# Altium PCB LimeSDR-QPCIe_1v2.PcbDoc (part 17 of 21) (continued)
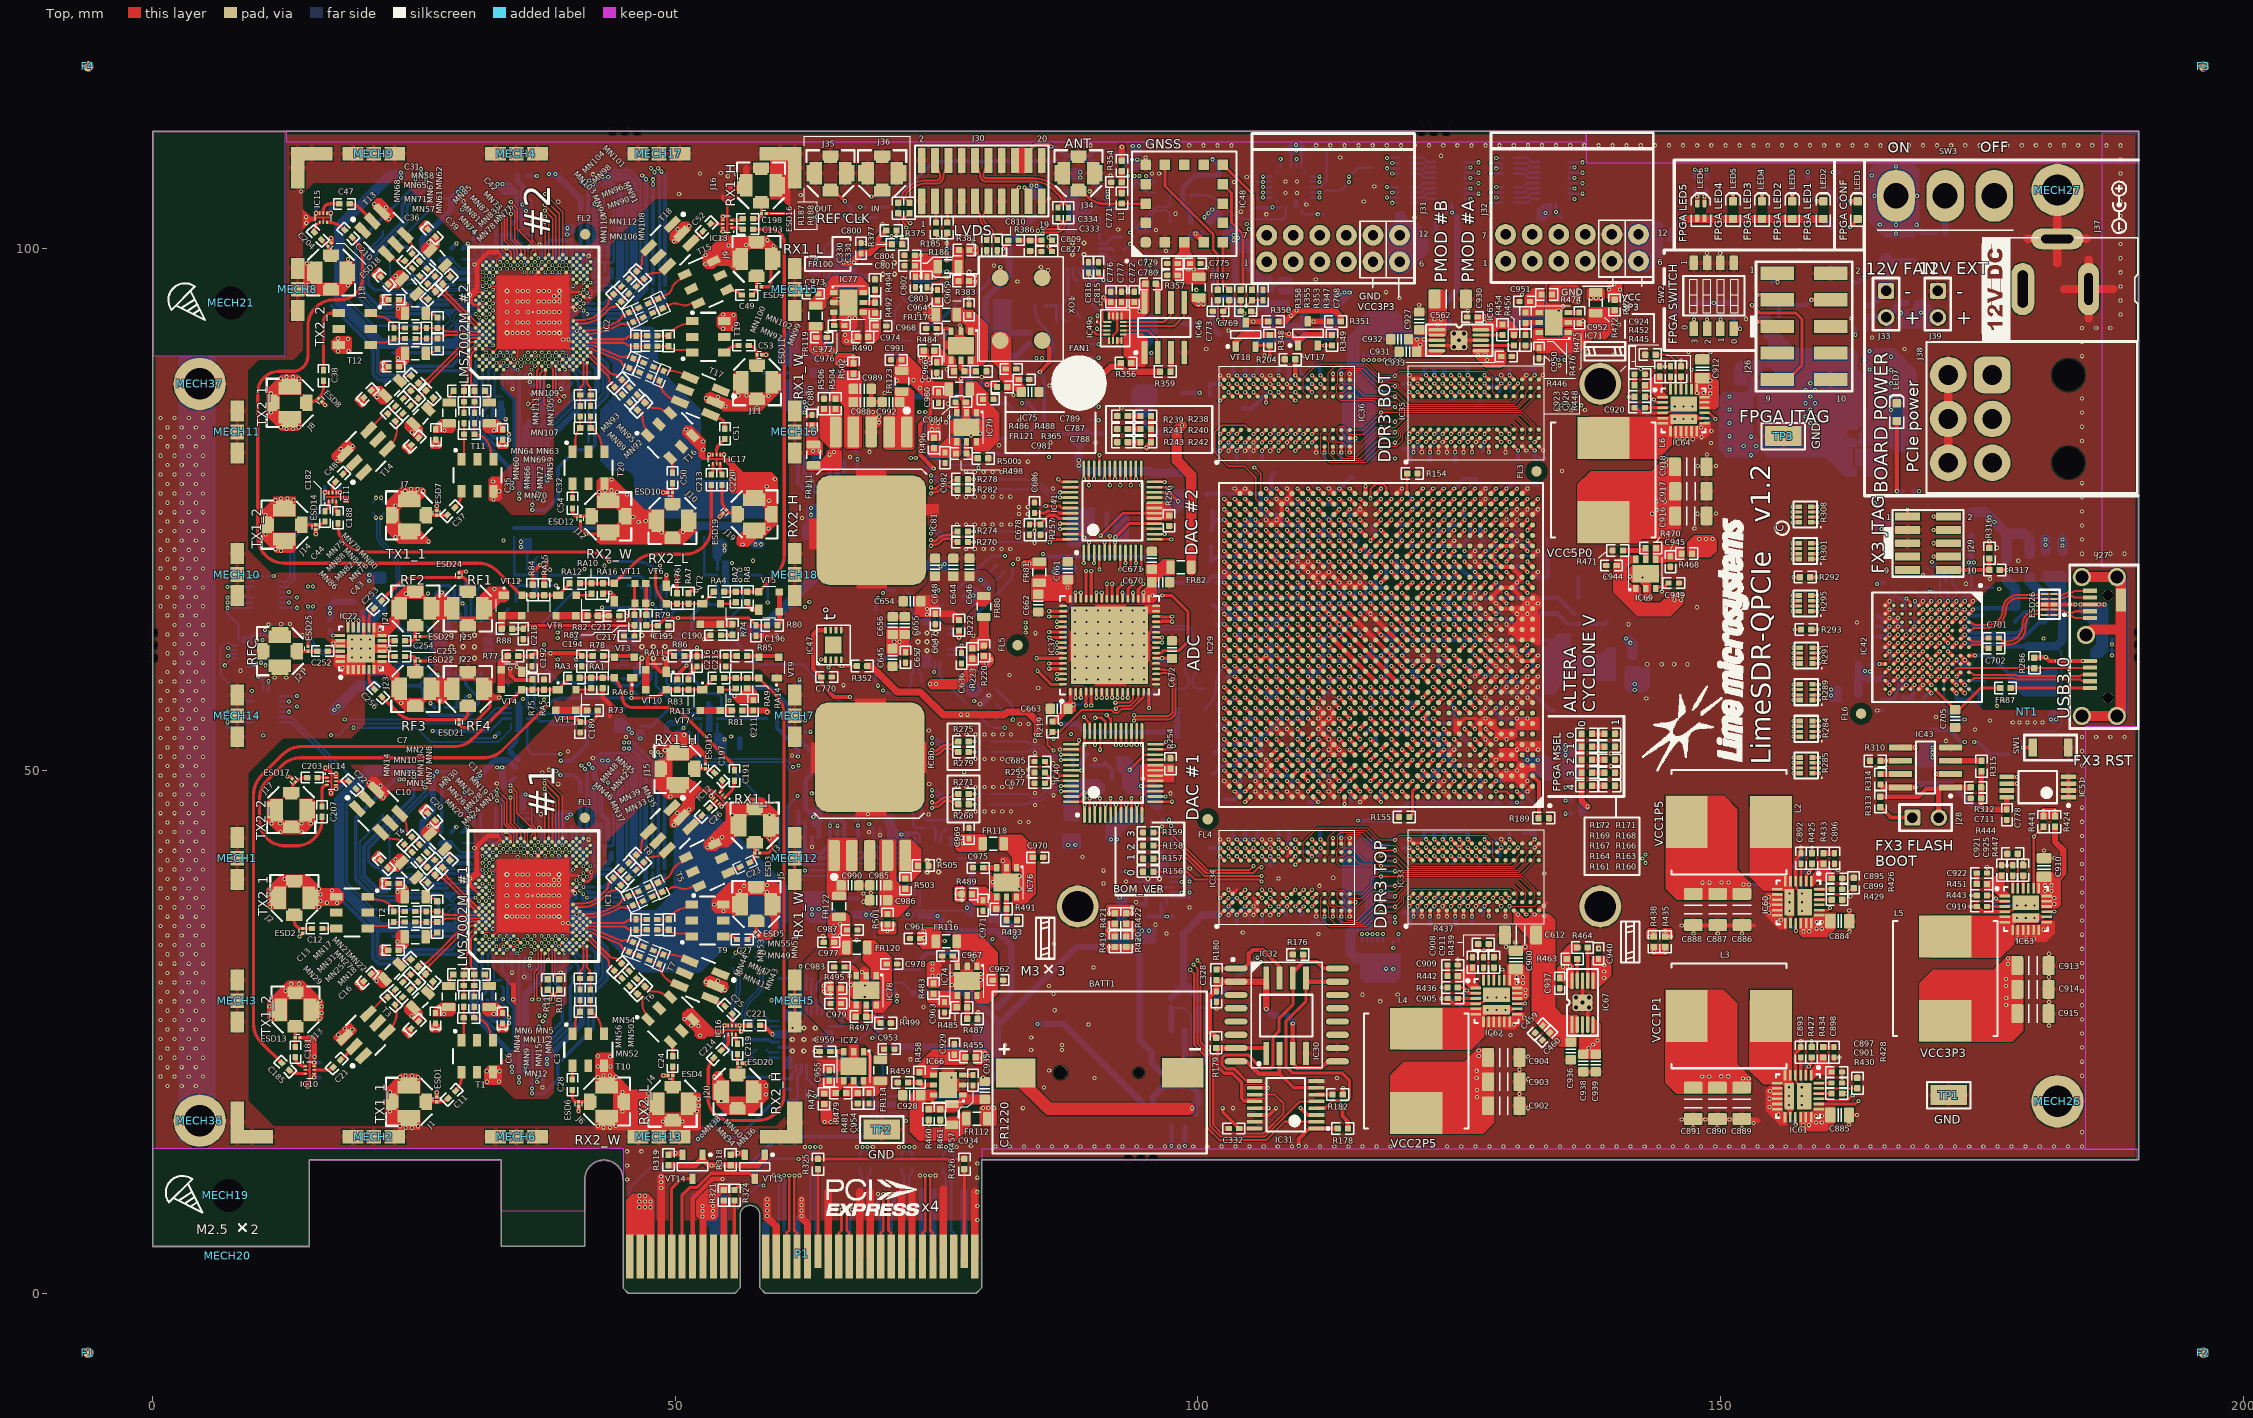
[diagram p0: Top view]
## Nets (pads, with @x,y where several pads share a name; then routed paths per layer and width w, separated by ;. In a path a pad name is that pad's centre, name@x,y a point inside that pad or via, vN(x,y) a via of type N, cw(c..) or ccw(c..) an arc to the next point about the centre after c; other vN are vias at no path point) (continued)
NetIC53_14: IC53.14 R407.2 | length 1.6
  Bottom w0.3: IC53.14@90.6,99.425 91.125,99.425 91.875,98.675 R407.2@91.9,98.675
NetIC53_15: IC53.15 R392.2 | length 2
  Bottom w0.3: IC53.15@90.6,98.925 90.875,98.925 91.225,98.575 91.225,98.25 R392.2@91.9,97.575
NetIC53_19: IC53.19 R397.1 | length 1.4
  Bottom w0.3: IC53.19@88.05,98.025 88.05,97.275 R397.1@88.475,96.85
NetIC54_5: IC54.5 R400.1 | length 1.6
  Bottom w0.4: R400.1@76.203,79.808 76.899,80.505 IC54.5@77.489,80.505
NetIC54_6: IC54.6 R402.1 | length 1.4
  Bottom w0.4: R402.1@76.203,80.908 76.449,81.155 IC54.6@77.489,81.155
NetIC54_7: IC54.7 R404.1 | length 1.4
  Bottom w0.4: R404.1@76.203,82.008 76.406,81.805 IC54.7@77.489,81.805
NetIC55_24: IC55.24 R411.2 | length 1.7
  Bottom w0.4: IC55.24@97.025,40.7 97.025,41.6 R411.2@97.575,42.15
NetIC57_3: IC57.3 R416.2 | length 4.5
  Bottom w0.25: IC57.3@110.85,105.825 111.726,105.825 112.325,106.424 R416.2@112.325,109.175
NetIC57_6: IC57.6 R412.2 R414.1 | length 53.6
  L12 w0.1: v1(66.225,103.125) cw(c66.647,102.703) 66.647,103.3 76.123,103.3 ccw(c76.123,105.84) 77.919,104.044 81.006,107.131 cw(c82.802,105.335) 82.802,107.875 107.418,107.875 cw(c107.418,105.335) 109.214,107.131 109.983,106.362 ccw(c111.275,107.655) 111.275,105.827 111.598,105.827 cw(c111.598,105.375) 112.05,105.375 112.05,104.125 cw(c111.265,104.125) 111.82,103.57 v1(111.475,103.225)
  Bottom w0.254: IC57.6@109.925,103.625 ccw(c110.325,103.625) 110.325,103.225 v1(111.475,103.225) R414.1@111.975,103.225
  Bottom w0.3: R412.2@66,102.725 cw(c66.423,102.725) 66.124,103.024 v1(66.225,103.125)
NetIC58_3: IC58.3 VT20.4
NetIC59_3: IC59.3 VT19.4
NetIC59_4: IC59.4 IC59.7 VD1.3
NetIC60_2: IC60.2 R425.1 R431.1 | length 3
  Top w0.309: IC60.2@158.2,39 IC60.2@158.2,39.4 158.2,40 158.75,40.55 R425.1@158.75,41.1
  Bottom w0.254: R431.1@157.8,40.275 157.825,40.25 v1(158.475,40.25)
NetIC60_22: IC60.22 R429.1 | length 1.6
  Top w0.309: IC60.22@159.05,37.65 R429.1@160.65,37.65
NetIC60_23: IC60.23 R426.1 | length 3.5
  Top w0.2: IC60.23@159.45,38.15 161.954,38.15 162.554,38.75 R426.1@162.75,38.75
NetIC61_2: IC61.2 R427.1 R432.1 | length 3
  Top w0.309: IC61.2@158.175,20.45 IC61.2@158.175,20.85 158.175,21.45 158.725,22 R427.1@158.725,22.55
  Bottom w0.254: R432.1@157.775,21.725 R432.1@157.8,21.7 v1(158.45,21.7)
NetIC61_22: IC61.22 R430.1 | length 1.6
  Top w0.309: IC61.22@159.025,19.1 R430.1@160.625,19.1
NetIC61_23: IC61.23 R428.1 | length 3.7
  Top w0.2: IC61.23@159.425,19.6 R428.1@163.1,19.6
NetIC62_2: IC62.2 R436.1 R440.2 | length 3
  Top w0.309: R436.1@124.875,29.25 125.425,29.25 125.975,28.7 IC62.2@126.575,28.7 IC62.2@126.975,28.7
  Bottom w0.254: R440.2@125.7,28.3 R440.2@125.725,28.325 v1(125.725,28.975)
NetIC62_22: IC62.22 R439.1 | length 1.6
  Top w0.309: IC62.22@128.325,29.55 R439.1@128.325,31.15
NetIC62_23: IC62.23 R437.1 | length 3.5
  Top w0.2: IC62.23@127.825,29.95 R437.1@127.825,33.4
NetIC63_2: IC63.2 R443.2 R449.2 | length 3
  Top w0.309: R443.2@175.513,38.05 176.063,38.05 176.613,37.5 IC63.2@177.213,37.5 IC63.2@177.613,37.5
  Bottom w0.254: R449.2@176.338,37.1 R449.2@176.363,37.125 v1(176.363,37.775)
NetIC63_22: IC63.22 R447.1 | length 1.6
  Top w0.309: IC63.22@178.963,38.35 R447.1@178.963,39.95
NetIC63_23: IC63.23 R444.1 | length 3.3
  Top w0.2: IC63.23@178.463,38.75 R444.1@178.463,42.037
NetIC64_2: IC64.2 R445.1 R450.2 | length 3
  Top w0.309: R445.1@142.775,85.775 143.325,85.775 143.875,85.225 IC64.2@144.475,85.225 IC64.2@144.875,85.225
  Bottom w0.254: R450.2@143.6,84.825 143.625,84.85 v1(143.625,85.5)
NetIC64_22: IC64.22 R448.1 | length 1.6
  Top w0.309: IC64.22@146.225,86.075 R448.1@146.225,87.675
NetIC64_23: IC64.23 R446.1 | length 4.9
  Top w0.2: R446.1@143.8,89.8 145.075,89.8 145.725,89.15 IC64.23@145.725,86.475
NetIC65_7: IC65.7 R456.2 | length 4.6
  Top w0.3: 128.475,90.675 IC65.7@127.075,90.675 R456.2@130.25,90.675
NetIC65_9: IC65.9 R454.2 | length 2.1
  Top w0.3: IC65.9@127.075,91.675 R454.2@129.15,91.675
NetIC66_5: IC66.5 R458.1 R459.2 | length 2.5
  Top w0.5: R459.2@72.275,20.15 R458.1@73.375,20.15 73.6,19.925 IC66.5@74.7,19.925
NetIC67_7: IC67.7 R464.2 | length 3.2
  Top w0.3: IC67.7@137.3,29.85 IC67.7@137.3,29.9 R464.2@137.3,33.075
NetIC67_9: IC67.9 R463.2 | length 3.4
  Top w0.3: IC67.9@136.3,29.85 136.3,31.15 ; IC67.9@136.3,29.9 R463.2@136.3,31.975
NetIC68_5: IC68.5 R466.1 R467.2 | length 2.4
  Bottom w0.5: IC68.5@107.05,95.925 107.05,96.07 107.955,96.975 R467.2@108.9,96.975
NetIC69_5: IC69.5 R470.1 R471.2 | length 3
  Top w0.5: R471.2@140.675,71.05 142.85,71.05 IC69.5@142.85,70.225
NetIC71_5: IC71.5 R475.1 R476.2 | length 2.5
  Top w0.5: R476.2@131.35,91.625 R475.1@131.35,92.875 ; R475.1@131.4,92.875 IC71.5@132.65,92.875
NetIC72_5: IC72.5 R479.1 R481.2
NetIC73_5: IC73.5 R480.1 R482.2 | length 2.2
  Bottom w0.4: R482.2@58.51,88.04 IC73.5@60.739,88.04
NetIC74_5: IC74.5 R485.1 R487.2 | length 2.2
  Top w0.5: R487.2@77.925,26.25 IC74.5@77.925,28.475
NetIC75_5: IC75.5 R486.1 R488.2 | length 2.3
  Top w0.5: IC75.5@77.325,89.25 77.325,88.55 R486.1@77.675,88.2 R488.2@78.775,88.2
NetIC76_5: IC76.5 R491.1 R493.2 | length 2.2
  Top w0.5: R493.2@81.7,35.675 R491.1@81.7,36.775 IC76.5@81.7,37.9
NetIC77_5: IC77.5 R492.1 R494.2 | length 2.3
  Top w0.5: IC77.5@67.975,94.8 69.075,94.8 69.1,94.825 R494.2@69.1,96
NetIC78_5: IC78.5 R497.1 R499.2 | length 2.7
  Top w0.5: IC78.5@68.275,27.575 R497.1@68.275,26.45 69.025,26.45 R499.2@69.625,25.85
NetIC79_5: IC79.5 R498.1 R500.2 | length 2.4
  Top w0.5: R498.1@77.862,80.35 78.337,79.875 R500.2@78.95,79.875 ; R498.1@77.875,80.363 IC79.5@77.875,81.45
NetIC80_5: IC80.5 R503.1 R505.1
NetIC81_5: IC81.5 R504.1 R506.1
NetJ27_8: J27.8 R290.2 | length 2.3
  Top w0.4: v1(184.462,65.9) v1(186.737,65.9)
  other v1: 186.212,65.9
NetJ29_10: J29.10 R316.2 R317.2 | length 5
  Top w0.4: J29.10@171.8,69.2 R317.2@175.725,69.2 R316.2@175.725,70.3
NetJ31_1: J31.1 R327.8 | length 17.7
  L10 w0.1: J31.1@106.583,98.679 107.933,97.329 112.228,97.329 113.019,98.119 113.019,99.112 113.735,99.829 114.728,99.829 115.561,100.662 115.561,102.571 117.316,104.325 v1(118.6,104.325)
  Bottom w0.25: v1(118.6,104.325) R327.8@119.175,104.325
NetJ31_2: J31.2 R327.6 | length 15.2
  L10 w0.1: J31.2@109.126,98.679 110.276,97.529 112.145,97.529 112.819,98.202 112.819,99.195 113.652,100.029 114.645,100.029 115.361,100.745 115.361,102.654 117.533,104.825 v1(118.1,104.825)
  Bottom w0.25: v1(118.1,104.825) 118.6,104.825 R327.6@119.175,104.825
NetJ31_3: J31.3 R327.4 | length 11.2
  L10 w0.1: J31.3@111.669,98.679 113.025,100.035 113.025,101.675 113.825,102.475 114.9,102.475 117.75,105.325 v1(118.6,105.325)
  Bottom w0.25: v1(118.6,105.325) R327.4@119.175,105.325
NetJ31_4: J31.4 R327.2 | length 9.8
  L12 w0.1: J31.4@114.211,98.679 115.361,99.829 115.361,103.086 v1(118.1,105.825)
  Bottom w0.25: v1(118.1,105.825) R327.2@119.175,105.825
NetJ31_7: J31.7 R328.8 | length 15
  L10 w0.1: J31.7@106.583,101.221 108.136,102.775 112.592,102.775 116.642,106.825 118.3,106.825 v1(118.6,107.125)
  Bottom w0.25: v1(118.6,107.125) R328.8@119.175,107.125
NetJ31_8: J31.8 R328.6 | length 14.7
  L10 w0.1: J31.8@109.126,101.221 110.429,102.525 112.625,102.525 116.725,106.625 118.675,106.625 118.975,106.925 118.975,107.425 118.775,107.625 v1(118.1,107.625)
  Bottom w0.25: v1(118.1,107.625) R328.6@119.175,107.625
NetJ31_9: J31.9 R328.4 | length 12.2
  L10 w0.1: J31.9@111.669,101.221 112.289,101.221 113.742,102.675 114.817,102.675 117.75,105.608 117.75,105.97 118.205,106.425 118.85,106.425 119.175,106.75 119.175,107.55 v1(118.6,108.125)
  Bottom w0.25: v1(118.6,108.125) R328.4@119.175,108.125
NetJ31_10: J31.10 R328.2 | length 10.7
  L12 w0.1: J31.10@114.211,101.221 114.211,104.736 v1(118.1,108.625)
  Bottom w0.25: v1(118.1,108.625) R328.2@119.175,108.625 118.6,108.625
NetJ32_1: J32.1 R329.8 | length 7.2
  L12 w0.1: v1(128.05,104.325) 128.05,100.146 J32.1@129.443,98.754
  Bottom w0.25: v1(128.05,104.325) R329.8@129.125,104.325
NetJ32_2: J32.2 R329.6 | length 8.1
  L12 w0.1: v1(128.55,104.825) 130.593,102.782 130.593,100.78 131.427,99.946 131.429,99.946 131.986,99.389 J32.2@131.986,98.754
  Bottom w0.25: v1(128.55,104.825) R329.6@129.125,104.825
NetJ32_3: J32.3 R329.4 | length 11.6
  L12 w0.1: v1(128.05,105.325) 128.1,105.275 128.595,105.275 130.793,103.077 130.793,100.863 131.509,100.146 133.136,100.146 J32.3@134.529,98.754
  Bottom w0.25: v1(128.05,105.325) 128.55,105.325 R329.4@129.125,105.325
NetJ32_4: J32.4 R329.2 | length 12.5
  L12 w0.1: v1(128.55,105.825) 128.611,105.825 131.989,102.446 132.462,102.446 133.35,101.558 133.35,100.8 134.004,100.146 135.005,100.146 135.008,100.15 135.675,100.15 J32.4@137.071,98.754
  Bottom w0.25: v1(128.55,105.825) R329.2@129.125,105.825
NetJ32_7: J32.7 R330.8 | length 8.6
  L12 w0.1: v1(128.05,107.125) 128.35,106.825 128.35,106.403 128,106.053 128,105.775 127.7,105.475 127.7,105.175 129.443,103.432 J32.7@129.443,101.296
  Bottom w0.25: v1(128.05,107.125) R330.8@129.125,107.125 128.55,107.125
NetJ32_8: J32.8 R330.6 | length 8.8
  L12 w0.1: v1(128.55,107.625) 128.55,106.32 128.2,105.97 128.2,105.68 128.405,105.475 128.678,105.475 131.986,102.167 J32.8@131.986,101.296
  Bottom w0.25: v1(128.55,107.625) R330.6@129.125,107.625
NetJ32_9: J32.9 R330.4 | length 12.2
  L12 w0.1: v1(128.05,108.125) 128.65,108.125 128.925,107.85 128.925,105.794 132.072,102.646 132.545,102.646 133.895,101.296 J32.9@134.529,101.296
  Bottom w0.25: v1(128.05,108.125) R330.4@129.125,108.125 128.55,108.125
NetJ32_10: J32.10 R330.2 | length 13.4
  L12 w0.1: v1(128.55,108.625) 128.55,108.508 129.125,107.933 129.125,105.876 132.126,102.875 135.493,102.875 J32.10@137.071,101.296
  Bottom w0.25: v1(128.55,108.625) R330.2@129.125,108.625
NetJ35_1: J35.1 R378.1 | length 3.8
  Top w0.309: J35.1@64.85,105.55 65.15,105.55 v1(66.225,104.475)
  Bottom w0.254: v1(66.225,104.475) 66.481,104.219 cw(c64.988,102.725) R378.1@67.1,102.725
NetLED1_A: LED1.A R173.1 | length 1.9
  Top w0.4: v1(162.425,102.025) 163.125,102.725 LED1.A@163.125,102.775
  Bottom w0.4: R173.1@161.55,102.025 v1(162.425,102.025)
NetLED1_K: LED1.K VT13.D | length 4.3
  Top w0.4: v1(162.45,104.475) LED1.K@163.125,104.475
  Bottom w0.4: VT13.D@159.625,106.3 161.45,104.475 v1(162.45,104.475)
NetLED2_K: LED2.K R337.2 | length 2.3
  Top w0.4: v1(159.175,104.475) LED2.K@159.85,104.475
  Bottom w0.4: R337.2@158.35,105.725 158.35,105.3 v1(159.175,104.475)
NetLED3_K: LED3.K R340.2 | length 1.3
  Top w0.4: LED3.K@156.875,104.475 v1(156.875,105.15)
  Bottom w0.4: v1(156.875,105.15) R340.2@156.875,105.725
NetLED4_K: LED4.K R341.2 | length 1.3
  Top w0.4: LED4.K@153.975,104.475 v1(153.975,105.15)
  Bottom w0.4: v1(153.975,105.15) R341.2@153.975,105.725
NetLED5_K: LED5.K R343.2 | length 1.3
  Top w0.4: LED5.K@151.2,104.5 v1(151.2,105.175)
  Bottom w0.4: v1(151.2,105.175) R343.2@151.2,105.75
NetLED6_3: LED6.3 R345.2 | length 1.6
  Top w0.4: LED6.3@147.775,104.25 v1(147.775,104.925)
  Bottom w0.4: R345.2@147.575,105.75 147.575,105.125 v1(147.775,104.925)
NetLED6_4: LED6.4 R346.2 | length 1.6
  Top w0.4: LED6.4@148.475,104.25 v1(148.475,104.925)
  Bottom w0.4: v1(148.475,104.925) 148.675,105.125 R346.2@148.675,105.75
NetLED7_A: LED7.A R453.1 | length 7.3
  Top w0.4: v1(166.875,76.725) LED7.A@166.875,83.45
  Bottom w0.4: v1(166.875,76.725) R453.1@167.45,76.725
NetMN1_1: MN1.1 MN7.2 | length 1.2
  Top w0.2: MN1.1@26.111,34.086 26.196,34.086 ccw(c26.196,35.535) MN7.2@27.221,34.511
NetMN2_1: MN2.1 MN8.2 | length 1.2
  Top w0.2: MN2.1@26.11,37.931 26.205,37.931 cw(c26.205,36.495) MN8.2@27.221,37.511
NetMN3_1: MN3.1 MN5.2 | length 1.2
  Top w0.2: MN5.2@31.759,30.496 cw(c30.735,29.471) 32.184,29.471 MN3.1@32.184,29.386
NetMN4_1: MN4.1 MN6.2 | length 1.2
  Top w0.2: MN4.1@28.339,29.385 28.339,29.48 cw(c29.775,29.48) MN6.2@28.759,30.496
NetMN17_1: MN17.1 MN21.2 | length 1.2
  Top w0.2: MN17.1@23.62,31.461 23.687,31.528 cw(c24.702,30.513) MN21.2@24.702,31.949
NetMN18_1: MN18.1 MN22.2 | length 1.2
  Top w0.2: MN18.1@26.339,28.742 26.399,28.802 ccw(c25.374,29.827) MN22.2@26.824,29.827
NetMN19_1: MN19.1 MN23.2 | length 1.2
  Top w0.2: MN19.1@27.948,42.502 28.015,42.435 cw(c27,41.42) MN23.2@28.435,41.42
NetMN20_1: MN20.1 MN24.2 | length 1.2
  Top w0.2: MN20.1@25.229,39.783 25.289,39.723 ccw(c26.314,40.748) MN24.2@26.314,39.299
NetMN57_1: MN57.1 MN61.2 | length 1.2
  Top w0.2: MN57.1@26.138,89.923 26.222,89.923 ccw(c26.222,91.372) MN61.2@27.247,90.348
NetMN58_1: MN58.1 MN62.2 | length 1.2
  Top w0.2: MN58.1@26.137,93.768 26.232,93.768 cw(c26.232,92.332) MN62.2@27.247,93.348
NetMN59_1: MN59.1 MN63.2 | length 1.2
  Top w0.2: MN63.2@31.786,86.333 cw(c30.761,85.308) 32.211,85.308 MN59.1@32.211,85.223
NetMN60_1: MN60.1 MN64.2 | length 1.2
  Top w0.2: MN60.1@28.366,85.222 28.366,85.317 cw(c29.801,85.317) MN64.2@28.786,86.333
NetMN73_1: MN73.1 MN77.2 | length 1.2
  Top w0.2: MN73.1@27.974,98.339 28.042,98.272 cw(c27.026,97.257) MN77.2@28.462,97.257
NetMN74_1: MN74.1 MN78.2 | length 1.2
  Top w0.2: MN74.1@25.256,95.62 25.316,95.56 ccw(c26.341,96.585) MN78.2@26.341,95.136
NetMN75_1: MN75.1 MN79.2 | length 1.2
  Top w0.2: MN75.1@23.646,87.298 23.714,87.365 cw(c24.729,86.35) MN79.2@24.729,87.786
NetMN76_1: MN76.1 MN80.2 | length 1.2
  Top w0.2: MN76.1@26.366,84.58 26.426,84.639 ccw(c25.401,85.664) MN80.2@26.85,85.664
NetP1_A6: P1.A6 R320.2 | length 6.1
  Bottom w0.254: P1.A6@50.65,3.5 R320.2@50.65,9.575
NetP1_A7: P1.A7 R320.1 | length 6.1
  Bottom w0.254: P1.A7@51.65,3.5 R320.1@51.65,9.575
NetP1_B10: P1.B10 R321.2 | length 5.4
  Top w0.6: P1.B10@54.65,3.5 R321.2@54.65,8.875
NetP1_B11: P1.B11 R324.2 | length 5.4
  Top w0.309: P1.B11@55.65,3.5 55.65,8.85 R324.2@55.675,8.875
NetR73_1: R73.1 VT1.3 VT1.4 | length 3.1
  Top w0.7: VT1.4@38.57,55.762 R73.1@41.65,55.762
NetR74_1: R74.1 VT2.3 VT2.4 | length 3.1
  Top w0.7: VT2.4@52.4,64 R74.1@55.48,64
NetR77_1: R77.1 VT4.3 VT4.4 | length 3.5
  Top w0.7: VT4.3@33.338,57.762 VT4.4@33.338,59.662 33.338,60.337 R77.1@33.975,60.975
NetR78_2: R78.2 VT3.3 VT3.4 | length 3.1
  Top w0.4: R78.2@43.05,60.975 45.957,60.975 VT3.4@46.082,60.85
NetR79_1: R79.1 VT6.3 VT6.4 | length 3
  Top w0.3: VT6.4@47.168,67.9 47.225,67.843 R79.1@47.225,64.9
NetR80_2: R80.2 VT5.3 VT5.4 | length 3.3
  Top w0.45: R80.2@59.775,63.9 59.963,64.088 VT5.4@59.963,65.188 VT5.3@59.963,67.088
NetR81_1: R81.1 VT7.3 VT7.4 | length 3.1
  Top w0.7: VT7.4@52.395,55.75 R81.1@55.475,55.75
NetR82_1: R82.1 VT8.3 VT8.4 | length 3.1
  Top w0.7: VT8.4@38.587,64.813 R82.1@41.668,64.813
NetR85_2: R85.2 VT9.3 VT9.4 | length 3.1
  Top w0.4: R85.2@56.875,60.963 59.782,60.963 VT9.4@59.907,60.838
NetR86_1: R86.1 VT10.3 VT10.4 | length 6.1
  Top w0.4: VT10.4@47.162,59.65 47.35,59.838 47.35,60.978 47.672,61.3 49.538,61.3 R86.1@49.875,60.963
  Top w0.7: VT10.3@47.162,57.75 VT10.4@47.162,59.65
NetR87_2: R87.2 VT11.3 VT11.4 | length 3
  Top w0.3: R87.2@46.1,64.9 46.1,67.85 VT11.3@46.15,67.9
NetR88_1: R88.1 VT12.3 VT12.4 | length 3.1
  Top w0.7: R88.1@33.405,63.575 VT12.4@33.405,64.813 VT12.3@35.305,64.813
NetR364_2: R364.2 XO1.3 | length 10.7
  Top w0.4: XO1.3@81.1,97.15 v1(81.1,98.175)
  Bottom w0.309: R364.2@73.927,92.537 ccw(c73.927,94.615) 75.05,92.867 ccw(c73.927,94.615) 75.396,93.146 77.719,95.469 cw(c78.602,94.587) 78.447,95.825 ; v1(81.1,98.175) cw(c80.315,98.175) 80.87,97.62 79.426,96.176 cw(c78.602,97.001) 78.602,95.835 ; 78.447,95.825 ccw(c78.425,97.425) 78.602,95.835 ; 78.447,95.825 cw(c78.602,94.587) 78.602,95.835
NetR376_1: R376.1 XO2.6 | length 2.2
  Bottom w0.6: XO2.6@82.125,89.7 82.675,89.7 R376.1@83.875,90.9
NetR379_2: R379.2 XO2.4 XO3.3 | length 2.5
  Bottom w0.254: R379.2@73.932,91.118 74.341,91.118 ccw(c74.341,93.658) 76.137,91.862 XO3.3@76.175,91.9
NetR382_2: R382.2 R385.1 | length 1
  Bottom w0.6: R385.1@74.75,85.8 R382.2@75.775,85.8
NetR384_1: R384.1 XO4.6 | length 2.2
  Bottom w0.254: XO4.6@70.325,91.125 72.511,91.125 R384.1@72.518,91.118
NetRA1_2: RA1.2 VT1.2 | length 1.5
  Top w0.254: VT1.2@40.495,57.737 41.82,57.737 RA1.2@41.957,57.875
NetRA2_2: RA2.2 VT2.2 | length 1.5
  Top w0.254: VT2.2@54.325,65.975 55.65,65.975 RA2.2@55.787,66.113
NetRA9_2: RA9.2 VT7.2 | length 1.5
  Top w0.254: VT7.2@54.32,57.725 55.645,57.725 RA9.2@55.782,57.863
NetRA10_2: RA10.2 VT8.2 | length 1.5
  Top w0.254: VT8.2@40.513,66.788 41.838,66.788 RA10.2@41.975,66.925
OCT_RZQIN0: IC29.AK13 R154.2 | length 1.9
  Top w0.3: IC29.AK13@120.025,76.5 R154.2@120.025,78.425
OCT_RZQIN1: IC29.B12 R155.2 | length 3.3
  Top w0.3: R155.2@120.25,45.55 120.525,45.825 120.525,48 IC29.B12@121.025,48.5
PCIE_HSI0_IC_N: C320.1 IC29.AF3 | length 133.1
  Top w0.4: v2(129.525,72) IC29.AF3@130.025,72.5
  L6 w0.1: v1(63.4,14) 63.25,14.15 63.25,14.7 63.75,15.2 65.158,15.2 67.108,17.15 72.758,17.15 75.083,19.475 84.233,19.475 84.783,20.025 85.975,20.025 86.266,19.734 103.184,19.734 105.925,22.475 124.608,22.475 125.933,23.8 131.4,23.8 134.45,26.85 134.45,38.425 134.95,38.925 134.95,42.258 134.625,42.583 134.625,60.825 131.825,63.625 127.405,63.625 127.175,63.855 127.175,72.225 127.35,72.4 129.125,72.4 v2(129.525,72)
  Bottom w0.25: v1(63.4,14) 63.4,13.65 63.65,13.4 C320.1@63.65,12.95
PCIE_HSI0_IC_P: C319.1 IC29.AF4 | length 133.4
  Top w0.4: IC29.AF4@129.025,72.5 v2(129.525,73)
  L6 w0.1: v1(62.9,14) 63.05,14.15 63.05,14.783 63.667,15.4 65.075,15.4 67.025,17.35 72.675,17.35 75,19.675 84.15,19.675 84.7,20.225 86.058,20.225 86.208,20.075 86.349,19.934 103.101,19.934 105.842,22.675 124.525,22.675 125.85,24 131.317,24 134.25,26.933 134.25,38.508 134.75,39.008 134.75,42.175 134.425,42.5 134.425,60.742 131.742,63.425 127.322,63.425 126.975,63.772 126.975,72.308 127.267,72.6 129.125,72.6 v2(129.525,73)
  Bottom w0.25: C319.1@62.65,12.95 62.65,13.4 62.9,13.65 v1(62.9,14)
PCIE_HSI0_N: C320.2 P1.A17 | length 8.7
  Bottom w0.25: P1.A17@63.65,3.5 63.65,5.75 63.4,6 63.4,11.25 63.65,11.5 C320.2@63.65,11.95
PCIE_HSI0_P: C319.2 P1.A16 | length 8.7
  Bottom w0.25: P1.A16@62.65,3.5 62.65,5.75 62.9,6 62.9,11.25 62.65,11.5 C319.2@62.65,11.95
PCIE_HSI1_IC_N: C322.1 IC29.AD3 | length 127.8
  Top w0.4: v2(129.525,70) IC29.AD3@130.025,70.5
  L6 w0.1: v1(68.4,14) 68.25,14.15 68.25,14.675 69.5,15.925 72.533,15.925 75.458,18.85 104.458,18.85 106.783,21.175 124.608,21.175 125.283,21.85 131.675,21.85 135.25,25.425 135.25,28.625 136.55,29.925 136.55,31.45 135.25,32.75 135.25,38.15 135.7,38.6 ; v2(129.525,70) 129.125,70.4 128.375,70.4 128.166,70.191 128.166,64.816 128.358,64.625 131.983,64.625 136.1,60.508 136.1,39 135.291,38.191
  Bottom w0.25: v1(68.4,14) 68.4,13.65 68.65,13.4 C322.1@68.65,12.95
PCIE_HSI1_IC_P: C321.1 IC29.AD4 | length 127.6
  Top w0.4: IC29.AD4@129.025,70.5 v2(129.525,71)
  L6 w0.1: v1(67.9,14) 68.05,14.15 68.05,14.758 69.417,16.125 72.45,16.125 75.375,19.05 104.375,19.05 106.7,21.375 124.525,21.375 125.2,22.05 131.592,22.05 135.05,25.508 135.05,28.708 136.35,30.008 136.35,31.367 135.05,32.667 135.05,38.233 135.9,39.083 135.9,60.425 131.9,64.425 128.275,64.425 127.966,64.734 127.966,70.274 128.292,70.6 129.125,70.6 v2(129.525,71)
  Bottom w0.25: C321.1@67.65,12.95 67.65,13.4 67.9,13.65 v1(67.9,14)
PCIE_HSI1_N: C322.2 P1.A22 | length 8.7
  Bottom w0.25: P1.A22@68.65,3.5 68.65,5.75 68.4,6 68.4,11.25 68.65,11.5 C322.2@68.65,11.95
PCIE_HSI1_P: C321.2 P1.A21 | length 8.7
  Bottom w0.25: P1.A21@67.65,3.5 67.65,5.75 67.9,6 67.9,11.25 67.65,11.5 C321.2@67.65,11.95
PCIE_HSI2_IC_N: C324.1 IC29.AB3 | length 122.6
  Top w0.4: v2(129.525,69) IC29.AB3@130.025,68.5
  L6 w0.1: v1(72.4,14) 72.25,14.15 72.25,14.717 75.733,18.2 124.083,18.2 124.958,19.075 125.808,19.925 131.925,19.925 138.2,26.2 138.2,31.458 135.9,33.758 135.9,37.85 136.875,38.825 136.875,61.05 132.35,65.575 129.375,65.575 129.125,65.825 129.125,68.6 v2(129.525,69)
  Bottom w0.25: v1(72.4,14) 72.4,13.65 72.65,13.4 C324.1@72.65,12.95
PCIE_HSI2_IC_P: C323.1 IC29.AB4 | length 122.6
  Top w0.4: v2(128.525,69) IC29.AB4@129.025,68.5
  L6 w0.1: v1(71.9,14) 72.05,14.15 72.05,14.8 75.65,18.4 124,18.4 125.7,20.1 125.725,20.125 131.842,20.125 138,26.283 138,31.375 135.7,33.675 135.7,37.933 136.675,38.908 136.675,60.967 132.267,65.375 129.292,65.375 128.925,65.742 128.925,67.95 128.925,68.6 v2(128.525,69)
  Bottom w0.25: C323.1@71.65,12.95 71.65,13.4 71.9,13.65 v1(71.9,14)
PCIE_HSI2_N: C324.2 P1.A26 | length 8.7
  Bottom w0.25: P1.A26@72.65,3.5 72.65,5.75 72.4,6 72.4,11.25 72.65,11.5 C324.2@72.65,11.95
PCIE_HSI2_P: C323.2 P1.A25 | length 8.7
  Bottom w0.25: P1.A25@71.65,3.5 71.65,5.75 71.9,6 71.9,11.25 71.65,11.5 C323.2@71.65,11.95
PCIE_HSI3_IC_N: C329.1 IC29.Y3 | length 118.6
  Top w0.4: v2(129.525,67) IC29.Y3@130.025,66.5
  L6 w0.1: v1(76.4,14) 76.25,14.15 76.25,14.625 78.475,16.85 130.125,16.85 139.425,26.15 139.425,34.025 141.225,35.825 141.225,38.258 137.9,41.583 137.9,61.425 132.725,66.6 129.925,66.6 v2(129.525,67)
  Bottom w0.25: v1(76.4,14) 76.4,13.65 76.65,13.4 C329.1@76.65,12.95
PCIE_HSI3_IC_P: C327.1 IC29.Y4 | length 118.6
  Top w0.4: IC29.Y4@129.025,66.5 v2(129.525,66)
  L6 w0.1: v1(75.9,14) 76.05,14.15 76.05,14.708 78.392,17.05 81.075,17.05 81.25,17.225 82,17.225 82.175,17.05 82.65,17.05 82.875,17.275 83.35,17.275 83.575,17.05 130.042,17.05 136.775,23.783 139.225,26.233 139.225,34.108 141.025,35.908 141.025,38.175 137.7,41.5 137.7,61.342 132.642,66.4 129.925,66.4 v2(129.525,66)
  Bottom w0.25: C327.1@75.65,12.95 75.65,13.4 75.9,13.65 v1(75.9,14)
PCIE_HSI3_N: C329.2 P1.A30 | length 8.7
  Bottom w0.25: P1.A30@76.65,3.5 76.65,5.75 76.4,6 76.4,11.25 76.65,11.5 C329.2@76.65,11.95
PCIE_HSI3_P: C327.2 P1.A29 | length 8.7
  Bottom w0.25: P1.A29@75.65,3.5 75.65,5.75 75.9,6 75.9,11.25 75.65,11.5 C327.2@75.65,11.95
PCIE_HSO0_N: IC29.AG1 P1.B15 | length 147.3
  Top w0.25: v1(61.4,11.25) 61.4,6 61.65,5.75 P1.B15@61.65,3.5
  Top w0.4: v2(131.525,73) IC29.AG1@132.025,73.5
  L6 w0.1: v1(61.4,11.25) 61.25,11.4 61.25,14.167 65.283,18.2 72.833,18.2 74.733,20.1 83.008,20.1 83.933,21.025 85.058,22.15 103.983,22.15 106.033,24.2 117.3,24.2 117.7,23.8 118.3,23.8 118.7,24.2 124.308,24.2 125.183,25.075 131.025,25.075 133.725,27.775 133.725,60.65 131.75,62.625 126.405,62.625 126.15,62.88 126.15,73.12 126.43,73.4 131.125,73.4 v2(131.525,73)
PCIE_HSO0_P: IC29.AG2 P1.B14 | length 147.3
  Top w0.25: P1.B14@60.65,3.5 60.65,5.75 60.9,6 v1(60.9,11.25)
  Top w0.4: IC29.AG2@131.025,73.5 v2(131.525,74)
  L6 w0.1: v1(60.9,11.25) 61.05,11.4 61.05,14.25 65.2,18.4 72.75,18.4 74.65,20.3 82.925,20.3 84.975,22.35 103.9,22.35 105.95,24.4 124.225,24.4 125.1,25.275 130.942,25.275 133.525,27.858 133.525,60.567 131.667,62.425 126.322,62.425 125.95,62.797 125.95,73.203 126.322,73.575 126.347,73.6 131.125,73.6 v2(131.525,74)
PCIE_HSO1_N: IC29.AE1 P1.B20 | length 141.8
  Top w0.25: v1(66.4,8) 66.4,6 66.65,5.75 P1.B20@66.65,3.5
  Top w0.4: v2(131.525,72) IC29.AE1@132.025,71.5
  L6 w0.1: v1(66.4,8) 66.25,8.15 66.25,8.525 66.5,8.775 74.725,8.775 80.6,14.65 132.425,14.65 142.45,24.675 142.45,34.142 143.25,34.942 143.25,40.075 141.325,42 141.325,60.808 140.4,61.733 140.4,63.925 132.725,71.6 131.925,71.6 v2(131.525,72)
PCIE_HSO1_P: IC29.AE2 P1.B19 | length 141.8
  Top w0.25: P1.B19@65.65,3.5 65.65,5.75 65.9,6 v1(65.9,8)
  Top w0.4: IC29.AE2@131.025,71.5 v2(131.525,71)
  L6 w0.1: v1(65.9,8) 66.05,8.15 66.05,8.608 66.417,8.975 74.642,8.975 80.517,14.85 132.342,14.85 142.25,24.758 142.25,25.2 142.075,25.375 142.075,25.9 142.25,26.075 142.25,26.65 142.025,26.875 142.025,27.3 142.25,27.525 142.25,34.225 143.05,35.025 143.05,39.992 141.125,41.917 141.125,60.725 140.275,61.575 140.2,61.65 140.2,63.842 132.642,71.4 131.925,71.4 v2(131.525,71)
PCIE_HSO2_N: IC29.AC1 P1.B24 | length 135.4
  Top w0.25: v1(70.4,9.5) 70.4,6 70.65,5.75 P1.B24@70.65,3.5
  Top w0.4: v2(131.525,70) IC29.AC1@132.025,69.5
  L6 w0.1: v1(70.4,9.5) 70.25,9.65 70.25,10.05 70.6,10.4 75.458,10.4 80.458,15.4 131.85,15.4 141.225,24.775 141.225,33.9 142.575,35.25 142.575,39.475 140.45,41.6 140.45,59.908 139.75,60.608 139.75,62.65 132.8,69.6 131.925,69.6 v2(131.525,70)
PCIE_HSO2_P: IC29.AC2 P1.B23 | length 135.4
  Top w0.25: P1.B23@69.65,3.5 69.65,5.75 69.9,6 v1(69.9,9.5)
  Top w0.4: IC29.AC2@131.025,69.5 v2(131.525,69)
  L6 w0.1: v1(69.9,9.5) 70.05,9.65 70.05,10.133 70.517,10.6 75.375,10.6 80.375,15.6 131.767,15.6 141.025,24.858 141.025,25.225 140.85,25.4 140.85,25.825 141.025,26 141.025,26.55 140.8,26.775 140.8,27.275 141.025,27.5 141.025,33.983 142.375,35.333 142.375,39.392 140.25,41.517 140.25,59.825 139.65,60.425 139.55,60.525 139.55,62.567 132.717,69.4 131.925,69.4 v2(131.525,69)
PCIE_HSO3_N: IC29.AA1 P1.B28 | length 128.9
  Top w0.25: v1(74.4,11.25) 74.4,6 74.65,5.75 P1.B28@74.65,3.5
  Top w0.4: v2(131.525,68) IC29.AA1@132.025,67.5
  L6 w0.1: v1(74.4,11.25) 74.25,11.4 74.25,11.825 75.05,12.625 76.325,12.625 79.875,16.175 131.1,16.175 140.225,25.3 140.225,33.875 141.9,35.55 141.9,38.908 139.05,41.758 139.05,61.3 132.75,67.6 131.925,67.6 v2(131.525,68)
PCIE_HSO3_P: IC29.AA2 P1.B27 | length 128.9
  Top w0.25: P1.B27@73.65,3.5 73.65,5.75 73.9,6 v1(73.9,11.25)
  Top w0.4: IC29.AA2@131.025,67.5 v2(131.525,67)
  L6 w0.1: v1(73.9,11.25) 74.05,11.4 74.05,11.908 74.967,12.825 76.242,12.825 79.792,16.375 131.017,16.375 140.025,25.383 140.025,30.675 139.85,30.85 139.85,31.25 140.025,31.425 140.025,31.825 139.8,32.05 139.8,32.425 140.025,32.65 140.025,33.958 141.7,35.633 141.7,38.825 138.85,41.675 138.85,61.217 132.667,67.4 131.925,67.4 v2(131.525,67)
PCIE_PERSTN: IC29.W24 P1.A11 | length 107.6
  Top w0.4: v2(108.525,66) IC29.W24@109.025,65.5
  L8 w0.1: v1(58.45,10.3) 58.65,10.5 62.475,10.5 66.55,14.575 68.85,14.575 88.05,33.775 89.375,33.775 91.15,35.55 91.6,35.55 93.85,37.8 96.808,37.8 97.733,38.725 99.05,38.725 99.597,39.272 99.597,44.578 106.57,51.55 107.767,51.55 107.975,51.758 107.975,52.238 109.17,53.433 109.17,54.15 112.245,57.225 112.962,57.225 113.302,57.565 113.585,57.565 113.875,57.855 113.875,59.155 113.1,59.93 113.1,65.208 112.733,65.575 112.433,65.575 112.15,65.858 112.15,66.87 108.67,70.35 108.38,70.35 108.175,70.145 108.175,66.825 108.525,66.475 v2(108.525,66)
  Bottom w0.254: P1.A11@55.65,3.5 55.65,8.025 57.925,10.3 v1(58.45,10.3)
PCIE_PRSNT1N: P1.A1 R325.1 R326.1 | length 39.6
  Top w0.309: v1(61.775,12.85) R326.1@77.65,12.85
  Bottom w0.254: P1.A1@45.65,4 45.65,10.125 47.525,12 50.075,12 50.5,11.575 57.775,11.575 59.05,12.85 v1(61.775,12.85)
PCIE_PRSNT2N_X1: P1.B17 R325.2 | length 7.9
  Top w0.309: P1.B17@63.65,4 R325.2@63.65,11.85
PCIE_PRSNT2N_X4: P1.B31 R326.2 | length 7.9
  Top w0.309: P1.B31@77.65,4 R326.2@77.65,11.85
PCIE_REFCLK_N: IC29.W7 P1.A14 | length 133.8
  Top w0.4: v2(125.525,66) IC29.W7@126.025,65.5
  L6 w0.1: v1(60.4,11.25) 60.25,11.4 60.25,14.267 65.183,19.2 72.908,19.2 74.708,21 82.983,21 86.383,24.4 104.733,24.4 105.433,25.1 123.383,25.1 124.433,26.15 130.475,26.15 132.75,28.425 132.75,41.125 133.1,41.475 133.1,56.325 131.8,57.625 127.35,57.625 126.175,58.8 126.175,60.375 125.125,61.425 125.125,65.6 v2(125.525,66)
  Bottom w0.25: v1(60.4,11.25) 60.4,6 60.65,5.75 P1.A14@60.65,3.5
PCIE_REFCLK_P: IC29.W8 P1.A13 | length 133.8
  Top w0.4: v2(124.525,66) IC29.W8@125.025,65.5
  L6 w0.1: v1(59.9,11.25) 60.05,11.4 60.05,14.35 65.1,19.4 72.825,19.4 74.625,21.2 82.9,21.2 86.3,24.6 104.65,24.6 105.35,25.3 123.3,25.3 124.35,26.35 130.392,26.35 132.55,28.508 132.55,41.208 132.9,41.558 132.9,56.242 131.717,57.425 127.267,57.425 125.975,58.717 125.975,60.292 124.925,61.342 124.925,65.6 v2(124.525,66)
  Bottom w0.25: P1.A13@59.65,3.5 59.65,5.75 59.9,6 v1(59.9,11.25)
PCIE_SMCLK: P1.B5 VT14.D | length 8.9
  Top w0.309: P1.B5@49.65,3.5 49.65,10.025 50.575,10.95 VT14.D@51.65,10.95
PCIE_SMCLK_LS: IC29.W12 R319.2 VT14.S | length 103.2
  Top w0.309: R319.2@49.35,13.25 VT14.S@50.7,13.25
  Top w0.4: v2(120.525,66) IC29.W12@121.025,65.5
  L8 w0.1: v1(50.025,13.425) 54,9.45 65.625,9.45 76.075,19.9 76.4,19.9 77.012,20.512 77.012,21.237 83.65,27.875 84.825,27.875 89.625,32.675 89.95,32.675 90.925,33.65 91.525,33.65 93.475,35.6 98.5,35.6 100.68,37.78 100.68,43.65 114.875,57.845 114.875,58.855 120.875,64.855 120.875,65.145 120.525,65.495 v2(120.525,66)
PCIE_SMDAT: P1.B6 VT15.D | length 13.9
  Top w0.309: P1.B6@50.65,3.5 50.65,9.375 51.375,10.1 52.05,10.1 53.425,11.475 57.075,11.475 VT15.D@57.6,10.95